# KiCad board F02-Func-Decoder-p.kicad_pcb (continued)
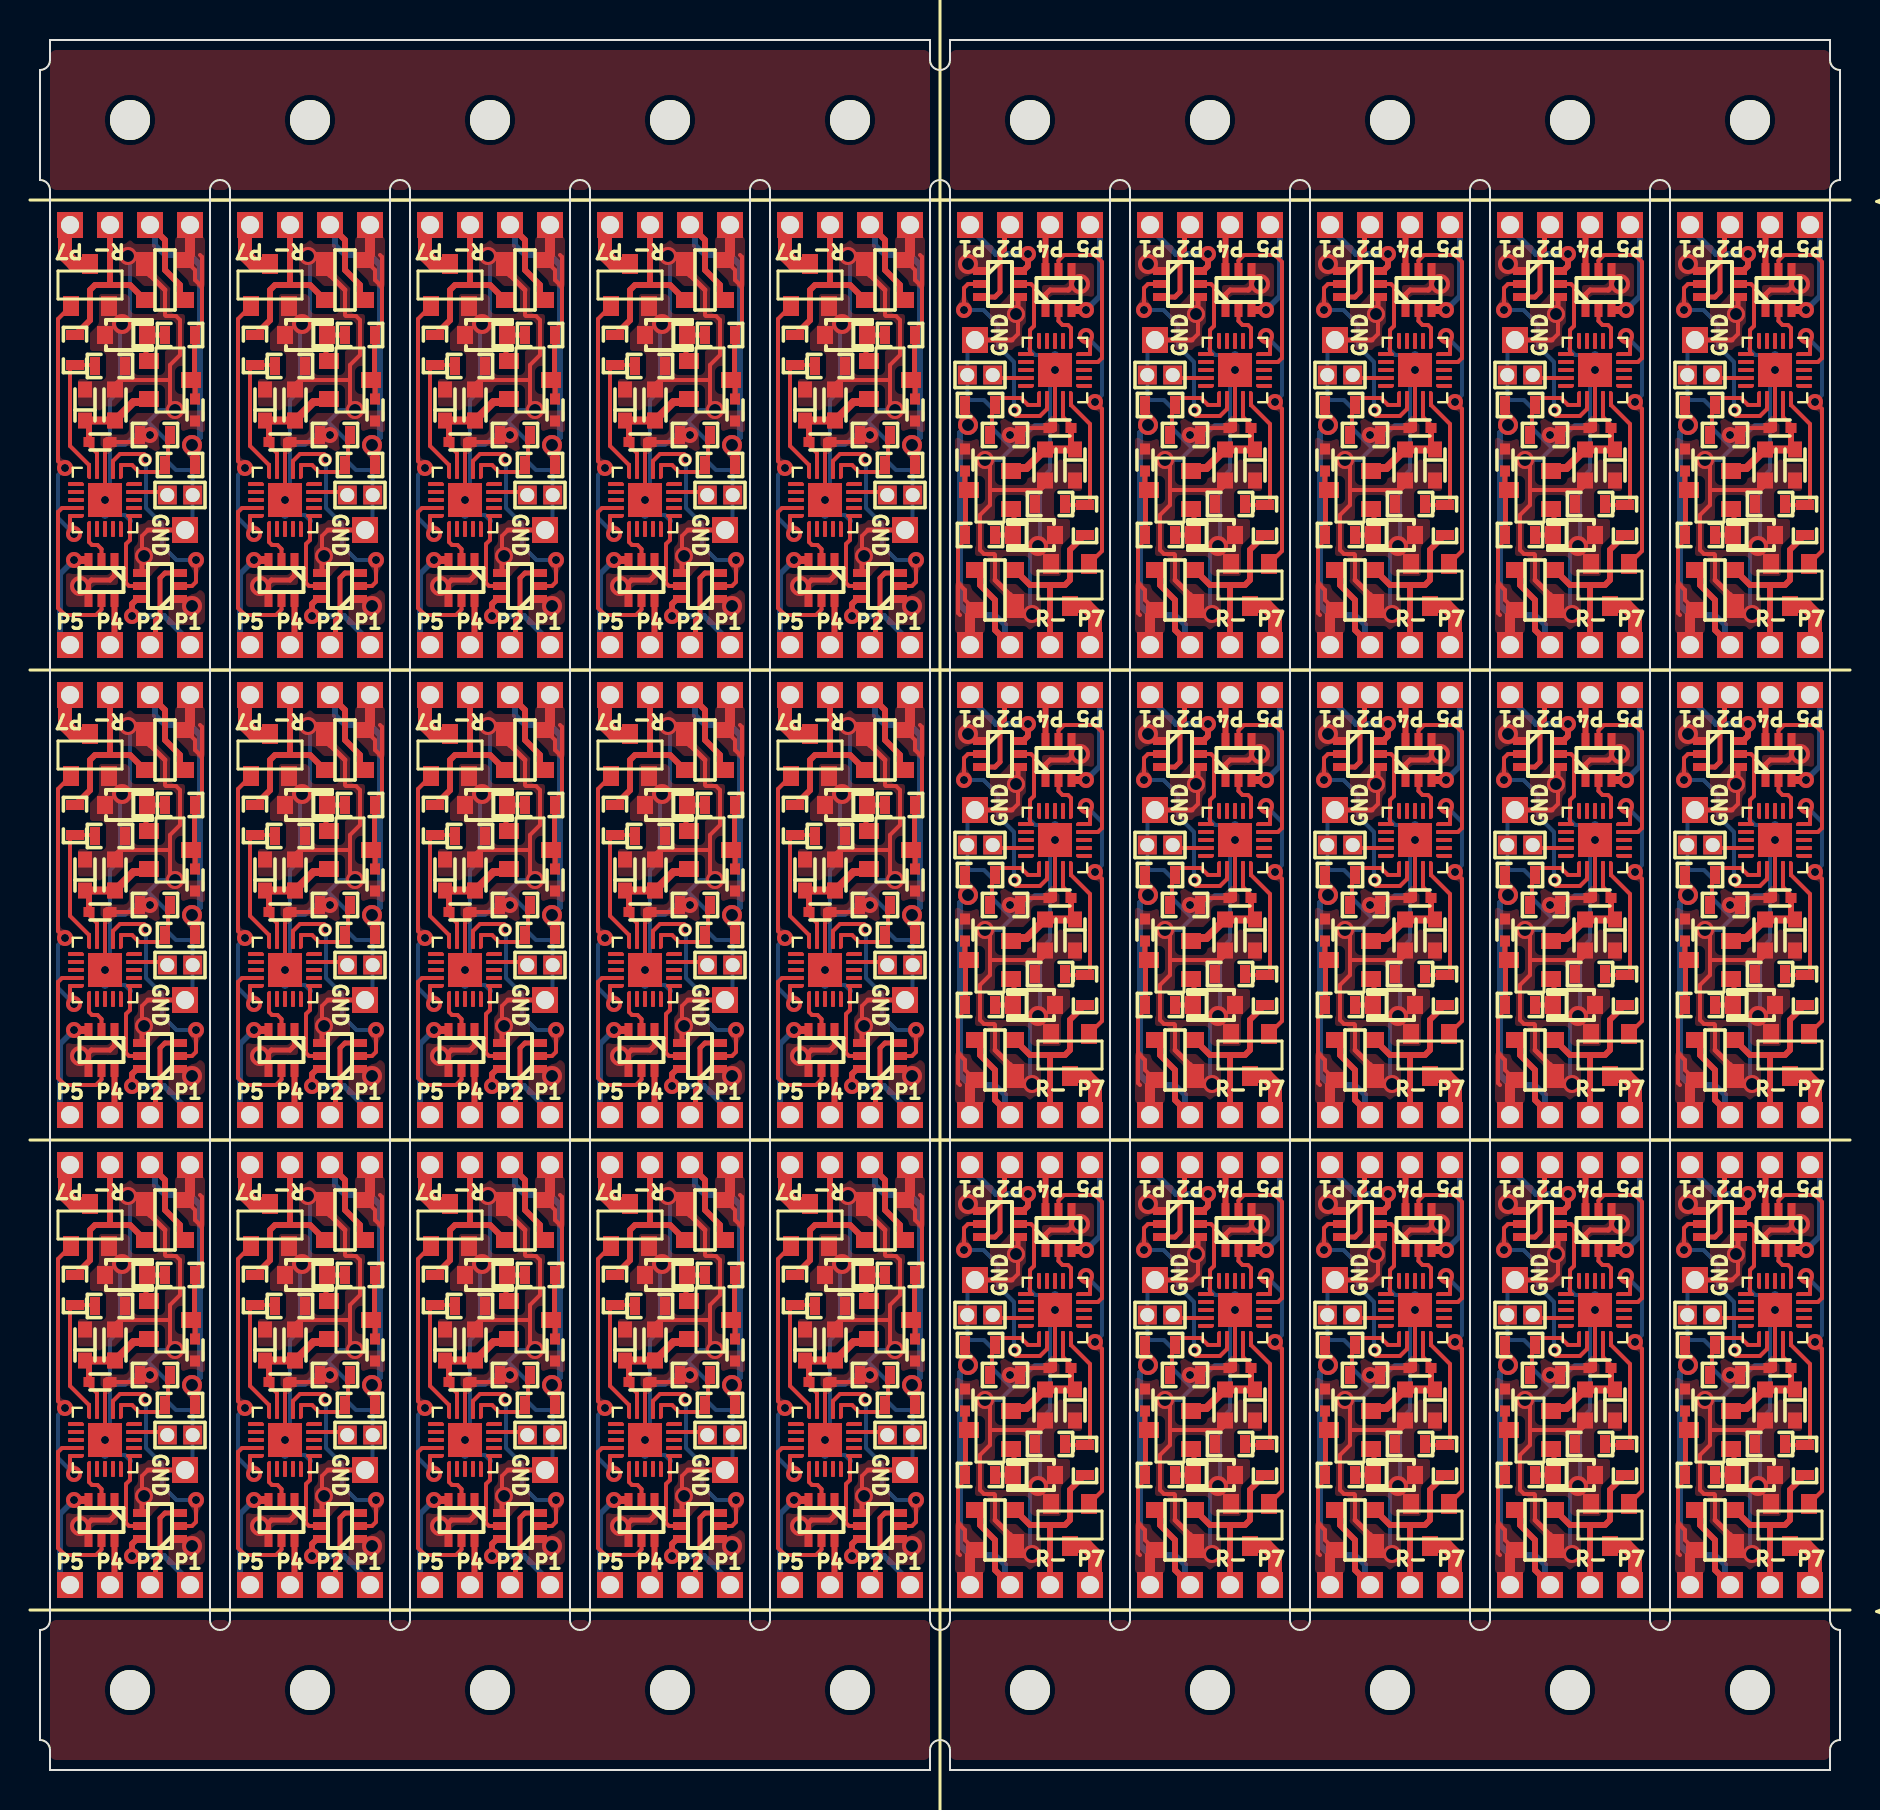
[diagram p0: board, top side]
## Copper pours and planes (outline as drawn; the poured copper is in the pictures) (continued)
GND on Top: 55.75,37 55.75,40.25 54.75,40.25 54.75,41 55.25,41 55.25,41.5 54.75,41.5 54.75,44.5 62.25,44.5 62.25,43.75 61.75,43.75 61.75,42.5 62.25,42.5 62.25,40.45 60.5,40.45 60.5,35.75 62.25,35.75 62.25,31.75 54.75,31.75 54.75,37
GND on Top: 54.75,27.5 56.5,27.5 56.5,24 58.75,24 58.75,25.75 62.25,25.75 62.25,29.25 54.75,29.25
GND on Top: 16.25,26 16.25,22.75 17.25,22.75 17.25,22 16.75,22 16.75,21.5 17.25,21.5 17.25,18.5 9.75,18.5 9.75,19.25 10.25,19.25 10.25,20.5 9.75,20.5 9.75,22.55 11.5,22.55 11.5,27.25 9.75,27.25 9.75,31.25 17.25,31.25 17.25,26
GND on Top: 26.25,12 24.5,12 24.5,15.5 22.25,15.5 22.25,13.75 18.75,13.75 18.75,10.25 26.25,10.25
GND on Top: 16.25,73 16.25,69.75 17.25,69.75 17.25,69 16.75,69 16.75,68.5 17.25,68.5 17.25,65.5 9.75,65.5 9.75,66.25 10.25,66.25 10.25,67.5 9.75,67.5 9.75,69.55 11.5,69.55 11.5,74.25 9.75,74.25 9.75,78.25 17.25,78.25 17.25,73
GND on Top: 73.75,37 73.75,40.25 72.75,40.25 72.75,41 73.25,41 73.25,41.5 72.75,41.5 72.75,44.5 80.25,44.5 80.25,43.75 79.75,43.75 79.75,42.5 80.25,42.5 80.25,40.45 78.5,40.45 78.5,35.75 80.25,35.75 80.25,31.75 72.75,31.75 72.75,37
GND on Top: 63.75,27.5 65.5,27.5 65.5,24 67.75,24 67.75,25.75 71.25,25.75 71.25,29.25 63.75,29.25
GND on Top: 34.25,73 34.25,69.75 35.25,69.75 35.25,69 34.75,69 34.75,68.5 35.25,68.5 35.25,65.5 27.75,65.5 27.75,66.25 28.25,66.25 28.25,67.5 27.75,67.5 27.75,69.55 29.5,69.55 29.5,74.25 27.75,74.25 27.75,78.25 35.25,78.25 35.25,73
GND on Top: 72.75,51 74.5,51 74.5,47.5 76.75,47.5 76.75,49.25 80.25,49.25 80.25,52.75 72.75,52.75
GND on Top: 44.25,59 42.5,59 42.5,62.5 40.25,62.5 40.25,60.75 36.75,60.75 36.75,57.25 44.25,57.25
GND on Top: 7.25,49.5 7.25,46.25 8.25,46.25 8.25,45.5 7.75,45.5 7.75,45 8.25,45 8.25,42 0.75,42 0.75,42.75 1.25,42.75 1.25,44 0.75,44 0.75,46.05 2.5,46.05 2.5,50.75 0.75,50.75 0.75,54.75 8.25,54.75 8.25,49.5
GND on Top: 64.75,37 64.75,40.25 63.75,40.25 63.75,41 64.25,41 64.25,41.5 63.75,41.5 63.75,44.5 71.25,44.5 71.25,43.75 70.75,43.75 70.75,42.5 71.25,42.5 71.25,40.45 69.5,40.45 69.5,35.75 71.25,35.75 71.25,31.75 63.75,31.75 63.75,37
GND on Top: 25.25,73 25.25,69.75 26.25,69.75 26.25,69 25.75,69 25.75,68.5 26.25,68.5 26.25,65.5 18.75,65.5 18.75,66.25 19.25,66.25 19.25,67.5 18.75,67.5 18.75,69.55 20.5,69.55 20.5,74.25 18.75,74.25 18.75,78.25 26.25,78.25 26.25,73
GND on Top: 45.75,51 47.5,51 47.5,47.5 49.75,47.5 49.75,49.25 53.25,49.25 53.25,52.75 45.75,52.75
GND on Top: 64.75,13.5 64.75,16.75 63.75,16.75 63.75,17.5 64.25,17.5 64.25,18 63.75,18 63.75,21 71.25,21 71.25,20.25 70.75,20.25 70.75,19 71.25,19 71.25,16.95 69.5,16.95 69.5,12.25 71.25,12.25 71.25,8.25 63.75,8.25 63.75,13.5
GND on Top: 82.75,37 82.75,40.25 81.75,40.25 81.75,41 82.25,41 82.25,41.5 81.75,41.5 81.75,44.5 89.25,44.5 89.25,43.75 88.75,43.75 88.75,42.5 89.25,42.5 89.25,40.45 87.5,40.45 87.5,35.75 89.25,35.75 89.25,31.75 81.75,31.75 81.75,37
GND on Top: 34.25,49.5 34.25,46.25 35.25,46.25 35.25,45.5 34.75,45.5 34.75,45 35.25,45 35.25,42 27.75,42 27.75,42.75 28.25,42.75 28.25,44 27.75,44 27.75,46.05 29.5,46.05 29.5,50.75 27.75,50.75 27.75,54.75 35.25,54.75 35.25,49.5
GND on Top: 35.25,12 33.5,12 33.5,15.5 31.25,15.5 31.25,13.75 27.75,13.75 27.75,10.25 35.25,10.25
GND on Top: 81.75,27.5 83.5,27.5 83.5,24 85.75,24 85.75,25.75 89.25,25.75 89.25,29.25 81.75,29.25
GND on Top: 16.25,49.5 16.25,46.25 17.25,46.25 17.25,45.5 16.75,45.5 16.75,45 17.25,45 17.25,42 9.75,42 9.75,42.75 10.25,42.75 10.25,44 9.75,44 9.75,46.05 11.5,46.05 11.5,50.75 9.75,50.75 9.75,54.75 17.25,54.75 17.25,49.5
GND on Top: 45.75,74.5 47.5,74.5 47.5,71 49.75,71 49.75,72.75 53.25,72.75 53.25,76.25 45.75,76.25
GND on Top: 72.75,27.5 74.5,27.5 74.5,24 76.75,24 76.75,25.75 80.25,25.75 80.25,29.25 72.75,29.25
GND on Top: 72.75,74.5 74.5,74.5 74.5,71 76.75,71 76.75,72.75 80.25,72.75 80.25,76.25 72.75,76.25
GND on Top: 46.75,13.5 46.75,16.75 45.75,16.75 45.75,17.5 46.25,17.5 46.25,18 45.75,18 45.75,21 53.25,21 53.25,20.25 52.75,20.25 52.75,19 53.25,19 53.25,16.95 51.5,16.95 51.5,12.25 53.25,12.25 53.25,8.25 45.75,8.25 45.75,13.5
GND on Top: 17.25,59 15.5,59 15.5,62.5 13.25,62.5 13.25,60.75 9.75,60.75 9.75,57.25 17.25,57.25
GND on Top: 26.25,59 24.5,59 24.5,62.5 22.25,62.5 22.25,60.75 18.75,60.75 18.75,57.25 26.25,57.25
GND on Top: 43.25,73 43.25,69.75 44.25,69.75 44.25,69 43.75,69 43.75,68.5 44.25,68.5 44.25,65.5 36.75,65.5 36.75,66.25 37.25,66.25 37.25,67.5 36.75,67.5 36.75,69.55 38.5,69.55 38.5,74.25 36.75,74.25 36.75,78.25 44.25,78.25 44.25,73
GND on Top: 46.75,37 46.75,40.25 45.75,40.25 45.75,41 46.25,41 46.25,41.5 45.75,41.5 45.75,44.5 53.25,44.5 53.25,43.75 52.75,43.75 52.75,42.5 53.25,42.5 53.25,40.45 51.5,40.45 51.5,35.75 53.25,35.75 53.25,31.75 45.75,31.75 45.75,37
GND on Top: 45.75,27.5 47.5,27.5 47.5,24 49.75,24 49.75,25.75 53.25,25.75 53.25,29.25 45.75,29.25
GND on Top: 8.25,12 6.5,12 6.5,15.5 4.25,15.5 4.25,13.75 0.75,13.75 0.75,10.25 8.25,10.25
GND on Top: 81.75,74.5 83.5,74.5 83.5,71 85.75,71 85.75,72.75 89.25,72.75 89.25,76.25 81.75,76.25
GND on Top: 54.75,74.5 56.5,74.5 56.5,71 58.75,71 58.75,72.75 62.25,72.75 62.25,76.25 54.75,76.25
GND on Top: 25.25,49.5 25.25,46.25 26.25,46.25 26.25,45.5 25.75,45.5 25.75,45 26.25,45 26.25,42 18.75,42 18.75,42.75 19.25,42.75 19.25,44 18.75,44 18.75,46.05 20.5,46.05 20.5,50.75 18.75,50.75 18.75,54.75 26.25,54.75 26.25,49.5
GND on Top: 82.75,60.5 82.75,63.75 81.75,63.75 81.75,64.5 82.25,64.5 82.25,65 81.75,65 81.75,68 89.25,68 89.25,67.25 88.75,67.25 88.75,66 89.25,66 89.25,63.95 87.5,63.95 87.5,59.25 89.25,59.25 89.25,55.25 81.75,55.25 81.75,60.5
GND on Top: 46.75,60.5 46.75,63.75 45.75,63.75 45.75,64.5 46.25,64.5 46.25,65 45.75,65 45.75,68 53.25,68 53.25,67.25 52.75,67.25 52.75,66 53.25,66 53.25,63.95 51.5,63.95 51.5,59.25 53.25,59.25 53.25,55.25 45.75,55.25 45.75,60.5
GND on Top: 73.75,13.5 73.75,16.75 72.75,16.75 72.75,17.5 73.25,17.5 73.25,18 72.75,18 72.75,21 80.25,21 80.25,20.25 79.75,20.25 79.75,19 80.25,19 80.25,16.95 78.5,16.95 78.5,12.25 80.25,12.25 80.25,8.25 72.75,8.25 72.75,13.5
GND on Top: 34.25,26 34.25,22.75 35.25,22.75 35.25,22 34.75,22 34.75,21.5 35.25,21.5 35.25,18.5 27.75,18.5 27.75,19.25 28.25,19.25 28.25,20.5 27.75,20.5 27.75,22.55 29.5,22.55 29.5,27.25 27.75,27.25 27.75,31.25 35.25,31.25 35.25,26
GND on Top: 63.75,74.5 65.5,74.5 65.5,71 67.75,71 67.75,72.75 71.25,72.75 71.25,76.25 63.75,76.25
GND on Top: 35.25,59 33.5,59 33.5,62.5 31.25,62.5 31.25,60.75 27.75,60.75 27.75,57.25 35.25,57.25
GND on Top: 8.25,59 6.5,59 6.5,62.5 4.25,62.5 4.25,60.75 0.75,60.75 0.75,57.25 8.25,57.25
GND on Top: 43.25,26 43.25,22.75 44.25,22.75 44.25,22 43.75,22 43.75,21.5 44.25,21.5 44.25,18.5 36.75,18.5 36.75,19.25 37.25,19.25 37.25,20.5 36.75,20.5 36.75,22.55 38.5,22.55 38.5,27.25 36.75,27.25 36.75,31.25 44.25,31.25 44.25,26
GND on Top: 17.25,35.5 15.5,35.5 15.5,39 13.25,39 13.25,37.25 9.75,37.25 9.75,33.75 17.25,33.75
GND on Top: 55.75,60.5 55.75,63.75 54.75,63.75 54.75,64.5 55.25,64.5 55.25,65 54.75,65 54.75,68 62.25,68 62.25,67.25 61.75,67.25 61.75,66 62.25,66 62.25,63.95 60.5,63.95 60.5,59.25 62.25,59.25 62.25,55.25 54.75,55.25 54.75,60.5
GND on Top: 17.25,12 15.5,12 15.5,15.5 13.25,15.5 13.25,13.75 9.75,13.75 9.75,10.25 17.25,10.25
GND on Top: 44.25,12 42.5,12 42.5,15.5 40.25,15.5 40.25,13.75 36.75,13.75 36.75,10.25 44.25,10.25
GND on Top: 81.75,51 83.5,51 83.5,47.5 85.75,47.5 85.75,49.25 89.25,49.25 89.25,52.75 81.75,52.75
GND on Top: 64.75,60.5 64.75,63.75 63.75,63.75 63.75,64.5 64.25,64.5 64.25,65 63.75,65 63.75,68 71.25,68 71.25,67.25 70.75,67.25 70.75,66 71.25,66 71.25,63.95 69.5,63.95 69.5,59.25 71.25,59.25 71.25,55.25 63.75,55.25 63.75,60.5
GND on Top: 44.25,35.5 42.5,35.5 42.5,39 40.25,39 40.25,37.25 36.75,37.25 36.75,33.75 44.25,33.75
GND on Top: 43.25,49.5 43.25,46.25 44.25,46.25 44.25,45.5 43.75,45.5 43.75,45 44.25,45 44.25,42 36.75,42 36.75,42.75 37.25,42.75 37.25,44 36.75,44 36.75,46.05 38.5,46.05 38.5,50.75 36.75,50.75 36.75,54.75 44.25,54.75 44.25,49.5
GND on Top: 7.25,73 7.25,69.75 8.25,69.75 8.25,69 7.75,69 7.75,68.5 8.25,68.5 8.25,65.5 0.75,65.5 0.75,66.25 1.25,66.25 1.25,67.5 0.75,67.5 0.75,69.55 2.5,69.55 2.5,74.25 0.75,74.25 0.75,78.25 8.25,78.25 8.25,73
GND on Top: 54.75,51 56.5,51 56.5,47.5 58.75,47.5 58.75,49.25 62.25,49.25 62.25,52.75 54.75,52.75
GND on Top: 82.75,13.5 82.75,16.75 81.75,16.75 81.75,17.5 82.25,17.5 82.25,18 81.75,18 81.75,21 89.25,21 89.25,20.25 88.75,20.25 88.75,19 89.25,19 89.25,16.95 87.5,16.95 87.5,12.25 89.25,12.25 89.25,8.25 81.75,8.25 81.75,13.5
GND on Top: 7.25,26 7.25,22.75 8.25,22.75 8.25,22 7.75,22 7.75,21.5 8.25,21.5 8.25,18.5 0.75,18.5 0.75,19.25 1.25,19.25 1.25,20.5 0.75,20.5 0.75,22.55 2.5,22.55 2.5,27.25 0.75,27.25 0.75,31.25 8.25,31.25 8.25,26
GND on Top: 35.25,35.5 33.5,35.5 33.5,39 31.25,39 31.25,37.25 27.75,37.25 27.75,33.75 35.25,33.75
GND on Bottom: 44.25,37.5 42.75,37.5 42.25,38 42.25,39 44.25,39 44.25,54.75 36.75,54.75 36.75,33.75 44.25,33.75
GND on Bottom: 26.25,14 24.75,14 24.25,14.5 24.25,15.5 26.25,15.5 26.25,31.25 18.75,31.25 18.75,10.25 26.25,10.25
GND on Bottom: 54.75,72.5 56.25,72.5 56.75,72 56.75,71 54.75,71 54.75,55.25 62.25,55.25 62.25,76.25 54.75,76.25
GND on Bottom: 63.75,49 65.25,49 65.75,48.5 65.75,47.5 63.75,47.5 63.75,31.75 71.25,31.75 71.25,52.75 63.75,52.75
GND on Bottom: 72.75,72.5 74.25,72.5 74.75,72 74.75,71 72.75,71 72.75,55.25 80.25,55.25 80.25,76.25 72.75,76.25
GND on Bottom: 72.75,49 74.25,49 74.75,48.5 74.75,47.5 72.75,47.5 72.75,31.75 80.25,31.75 80.25,52.75 72.75,52.75
GND on Bottom: 35.25,37.5 33.75,37.5 33.25,38 33.25,39 35.25,39 35.25,54.75 27.75,54.75 27.75,33.75 35.25,33.75
GND on Bottom: 8.25,37.5 6.75,37.5 6.25,38 6.25,39 8.25,39 8.25,54.75 0.75,54.75 0.75,33.75 8.25,33.75
GND on Bottom: 26.25,37.5 24.75,37.5 24.25,38 24.25,39 26.25,39 26.25,54.75 18.75,54.75 18.75,33.75 26.25,33.75
GND on Bottom: 81.75,49 83.25,49 83.75,48.5 83.75,47.5 81.75,47.5 81.75,31.75 89.25,31.75 89.25,52.75 81.75,52.75
GND on Bottom: 8.25,14 6.75,14 6.25,14.5 6.25,15.5 8.25,15.5 8.25,31.25 0.75,31.25 0.75,10.25 8.25,10.25
GND on Bottom: 45.75,49 47.25,49 47.75,48.5 47.75,47.5 45.75,47.5 45.75,31.75 53.25,31.75 53.25,52.75 45.75,52.75
GND on Bottom: 45.75,25.5 47.25,25.5 47.75,25 47.75,24 45.75,24 45.75,8.25 53.25,8.25 53.25,29.25 45.75,29.25
GND on Bottom: 35.25,14 33.75,14 33.25,14.5 33.25,15.5 35.25,15.5 35.25,31.25 27.75,31.25 27.75,10.25 35.25,10.25
GND on Bottom: 8.25,61 6.75,61 6.25,61.5 6.25,62.5 8.25,62.5 8.25,78.25 0.75,78.25 0.75,57.25 8.25,57.25
GND on Bottom: 81.75,25.5 83.25,25.5 83.75,25 83.75,24 81.75,24 81.75,8.25 89.25,8.25 89.25,29.25 81.75,29.25
GND on Bottom: 26.25,61 24.75,61 24.25,61.5 24.25,62.5 26.25,62.5 26.25,78.25 18.75,78.25 18.75,57.25 26.25,57.25
GND on Bottom: 63.75,25.5 65.25,25.5 65.75,25 65.75,24 63.75,24 63.75,8.25 71.25,8.25 71.25,29.25 63.75,29.25
GND on Bottom: 54.75,49 56.25,49 56.75,48.5 56.75,47.5 54.75,47.5 54.75,31.75 62.25,31.75 62.25,52.75 54.75,52.75
GND on Bottom: 35.25,61 33.75,61 33.25,61.5 33.25,62.5 35.25,62.5 35.25,78.25 27.75,78.25 27.75,57.25 35.25,57.25
GND on Bottom: 44.25,61 42.75,61 42.25,61.5 42.25,62.5 44.25,62.5 44.25,78.25 36.75,78.25 36.75,57.25 44.25,57.25
GND on Bottom: 63.75,72.5 65.25,72.5 65.75,72 65.75,71 63.75,71 63.75,55.25 71.25,55.25 71.25,76.25 63.75,76.25
GND on Bottom: 17.25,37.5 15.75,37.5 15.25,38 15.25,39 17.25,39 17.25,54.75 9.75,54.75 9.75,33.75 17.25,33.75
GND on Bottom: 17.25,61 15.75,61 15.25,61.5 15.25,62.5 17.25,62.5 17.25,78.25 9.75,78.25 9.75,57.25 17.25,57.25
GND on Bottom: 44.25,14 42.75,14 42.25,14.5 42.25,15.5 44.25,15.5 44.25,31.25 36.75,31.25 36.75,10.25 44.25,10.25
GND on Bottom: 17.25,14 15.75,14 15.25,14.5 15.25,15.5 17.25,15.5 17.25,31.25 9.75,31.25 9.75,10.25 17.25,10.25
GND on Bottom: 81.75,72.5 83.25,72.5 83.75,72 83.75,71 81.75,71 81.75,55.25 89.25,55.25 89.25,76.25 81.75,76.25
GND on Bottom: 72.75,25.5 74.25,25.5 74.75,25 74.75,24 72.75,24 72.75,8.25 80.25,8.25 80.25,29.25 72.75,29.25
GND on Bottom: 45.75,72.5 47.25,72.5 47.75,72 47.75,71 45.75,71 45.75,55.25 53.25,55.25 53.25,76.25 45.75,76.25
GND on Bottom: 54.75,25.5 56.25,25.5 56.75,25 56.75,24 54.75,24 54.75,8.25 62.25,8.25 62.25,29.25 54.75,29.25
(no net) on Top, Bottom: 45.5,0.5 89.5,0.5 89.5,7.5 45.5,7.5
(no net) on Top, Bottom: 0.5,79 44.5,79 44.5,86 0.5,86
(no net) on Top, Bottom: 0.5,0.5 44.5,0.5 44.5,7.5 0.5,7.5
(no net) on Top, Bottom: 45.5,79 89.5,79 89.5,86 45.5,86

Small or netless copper shapes (teardrops, artwork), in the pictures only: 240 on Top, 210 on Bottom

## Text on the board
B.Silkscreen: Rev.1 2024.08 | F02-5FX | V-CUT -> | P5 | P4 | P2 | P1 | P7 | R- | R+ | 12V | PROG | GND
F.Silkscreen: GND | P5 | P4 | P2 | P1 | R- | P7 | V-CUT -> | <- V-CUT
